# Altium PCB WordClock2.PcbDoc (part 3 of 3)
Units mil, origin at the board's own origin, x right, y up, seen from the top; angles counter-clockwise.
Board outline 10494.49 x 10494.49 mil, 2 copper layers (Top Layer, Bottom Layer), stack 61.811 mil thick; 527 components, 268 nets, 1646 pads, 74 vias.
Unrouted connection lines stored in the file: 1.
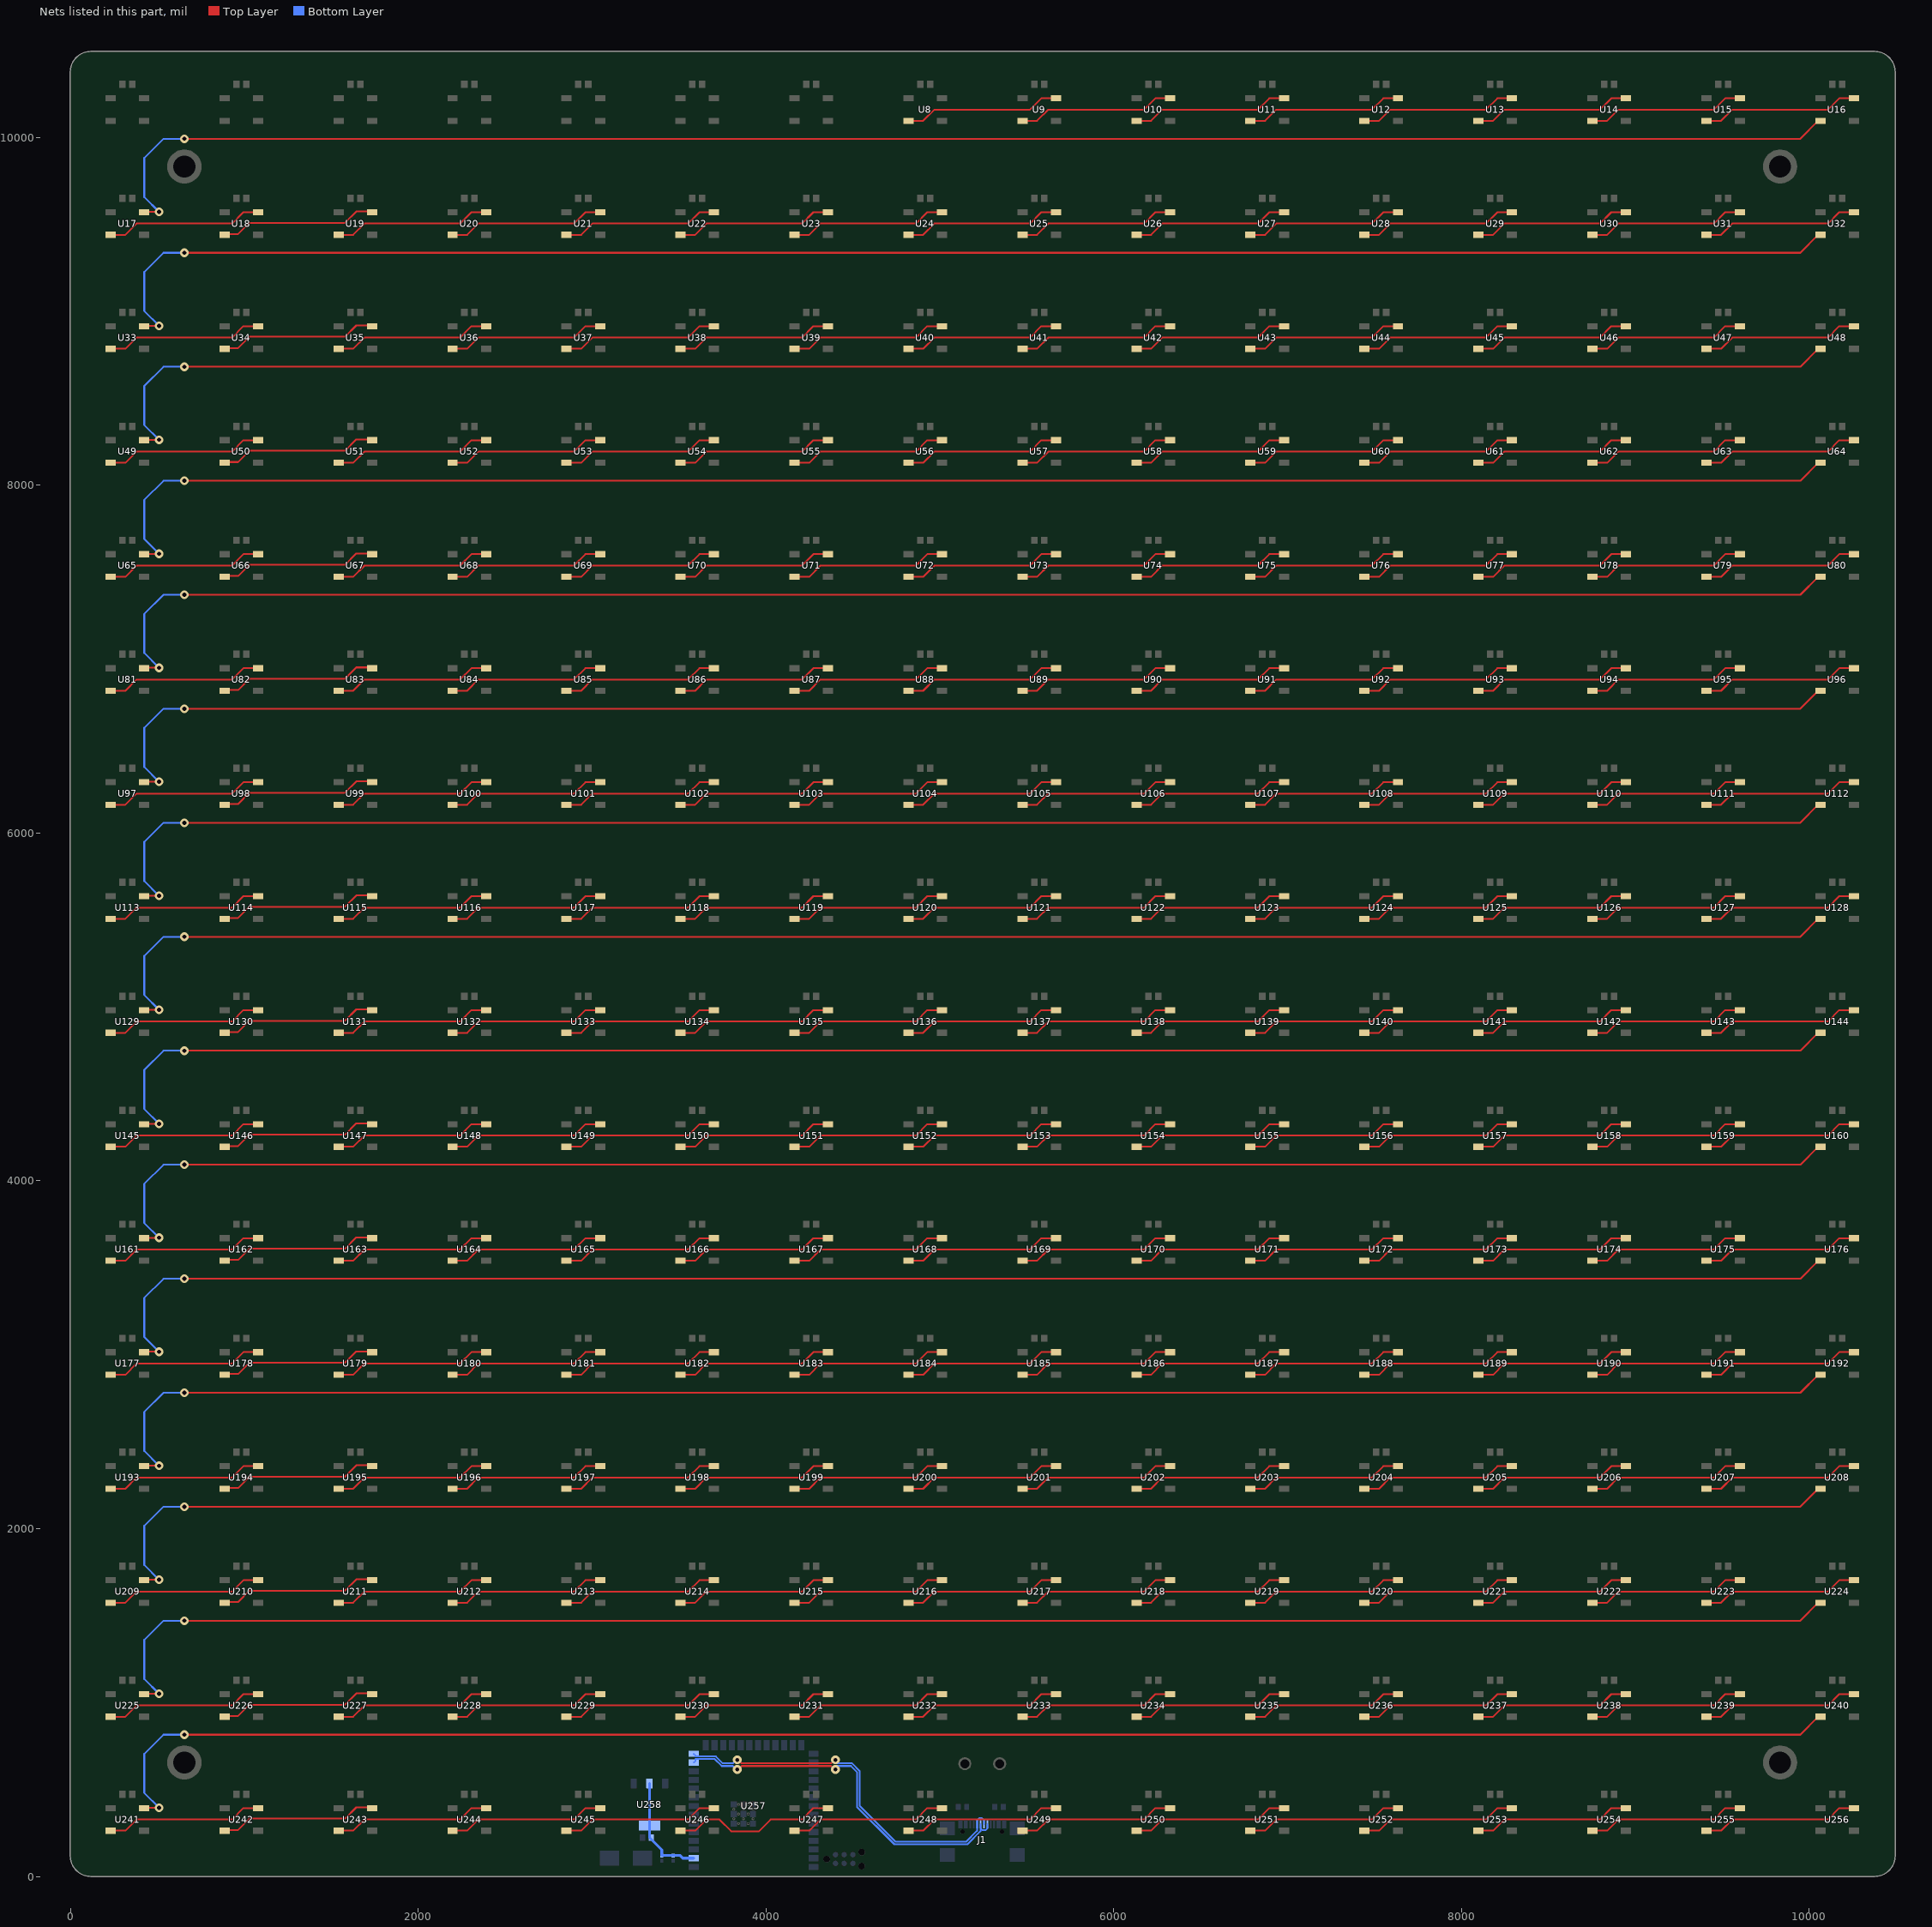
[diagram p3: the nets of this part, all layers, seen from the top]

## Via types
v1: diameter 50, hole 23.62, Top Layer to Bottom Layer, 69 vias
v2: diameter 23.62, hole 14, Top Layer to Bottom Layer, 5 vias

## Nets (pads, with @x,y where several pads share a name; then routed paths per layer and width w, separated by ;. In a path a pad name is that pad's centre, name@x,y a point inside that pad or via, vN(x,y) a via of type N, cw(c..) or ccw(c..) an arc to the next point about the centre after c; other vN are vias at no path point) (continued)
NetU8_2: U8.2 U9.4 | length 902.2
  Top Layer w10: U8.2@4819.88,10095.47 4904.06,10095.47 4968.58,10160 5518.58,10160 5583.98,10225.39 U9.4@5668.31,10225.39
NetU9_2: U9.2 U10.4 | length 902.2
  Top Layer w10: U9.2@5475.39,10095.47 5559.57,10095.47 5624.09,10160 6174.09,10160 6239.49,10225.39 U10.4@6323.82,10225.39
NetU10_2: U10.2 U11.4 | length 902.2
  Top Layer w10: U10.2@6130.9,10095.47 6215.08,10095.47 6279.61,10160 6829.61,10160 6895,10225.39 U11.4@6979.33,10225.39
NetU11_2: U11.2 U12.4 | length 902.2
  Top Layer w10: U11.2@6786.42,10095.47 6870.59,10095.47 6935.12,10160 7485.12,10160 7550.51,10225.39 U12.4@7634.84,10225.39
NetU12_2: U12.2 U13.4 | length 902.2
  Top Layer w10: U12.2@7441.93,10095.47 7526.1,10095.47 7590.63,10160 8140.63,10160 8206.02,10225.39 U13.4@8290.35,10225.39
NetU13_2: U13.2 U14.4 | length 902.2
  Top Layer w10: U13.2@8097.44,10095.47 8181.61,10095.47 8246.14,10160 8796.14,10160 8861.53,10225.39 U14.4@8945.87,10225.39
NetU14_2: U14.2 U15.4 | length 902.2
  Top Layer w10: U14.2@8752.95,10095.47 8837.13,10095.47 8901.65,10160 9451.65,10160 9517.05,10225.39 U15.4@9601.38,10225.39
NetU15_2: U15.2 U16.4 | length 902.2
  Top Layer w10: U15.2@9408.47,10095.47 9492.64,10095.47 9557.17,10160 10107.17,10160 10172.56,10225.39 U16.4@10256.89,10225.39
NetU16_2: U16.2 U17.4 | length 10159.3
  Top Layer w10: U17.4@424.21,9569.88 426.5,9572.16 v1(510,9572.16) ; v1(655,9992.16) 9948.86,9992.16 10052.17,10095.47 U16.2@10063.98,10095.47
  Bottom Layer w10: v1(510,9572.16) 425,9657.16 425,9882.16 535,9992.16 v1(655,9992.16)
NetU17_2: U17.2 U18.4 | length 902.2
  Top Layer w10: U17.2@231.3,9439.96 315.47,9439.96 380,9504.49 930,9504.49 995.39,9569.88 U18.4@1079.72,9569.88
NetU18_2: U18.2 U19.4 | length 902.2
  Top Layer w10: U18.2@880,9444.49 964.17,9444.49 1028.7,9509.02 1578.7,9509.02 1644.09,9574.41 U19.4@1728.43,9574.41
NetU19_2: U19.2 U20.4 | length 902.2
  Top Layer w10: U19.2@1542.32,9439.96 1626.5,9439.96 1691.02,9504.49 2241.02,9504.49 2306.42,9569.88 U20.4@2390.75,9569.88
NetU20_2: U20.2 U21.4 | length 902.2
  Top Layer w10: U20.2@2197.84,9439.96 2282.01,9439.96 2346.54,9504.49 2896.54,9504.49 2961.93,9569.88 U21.4@3046.26,9569.88
NetU21_2: U21.2 U22.4 | length 902.2
  Top Layer w10: U21.2@2853.35,9439.96 2937.52,9439.96 3002.05,9504.49 3552.05,9504.49 3617.44,9569.88 U22.4@3701.77,9569.88
NetU22_2: U22.2 U23.4 | length 902.2
  Top Layer w10: U22.2@3508.86,9439.96 3593.03,9439.96 3657.56,9504.49 4207.56,9504.49 4272.95,9569.88 U23.4@4357.28,9569.88
NetU23_2: U23.2 U24.4 | length 902.2
  Top Layer w10: U23.2@4164.37,9439.96 4248.55,9439.96 4313.07,9504.49 4863.07,9504.49 4928.47,9569.88 U24.4@5012.8,9569.88
NetU24_2: U24.2 U25.4 | length 902.2
  Top Layer w10: U24.2@4819.88,9439.96 4904.06,9439.96 4968.58,9504.49 5518.58,9504.49 5583.98,9569.88 U25.4@5668.31,9569.88
NetU25_2: U25.2 U26.4 | length 902.2
  Top Layer w10: U25.2@5475.39,9439.96 5559.57,9439.96 5624.09,9504.49 6174.09,9504.49 6239.49,9569.88 U26.4@6323.82,9569.88
NetU26_2: U26.2 U27.4 | length 902.2
  Top Layer w10: U26.2@6130.9,9439.96 6215.08,9439.96 6279.61,9504.49 6829.61,9504.49 6895,9569.88 U27.4@6979.33,9569.88
NetU27_2: U27.2 U28.4 | length 902.2
  Top Layer w10: U27.2@6786.42,9439.96 6870.59,9439.96 6935.12,9504.49 7485.12,9504.49 7550.51,9569.88 U28.4@7634.84,9569.88
NetU28_2: U28.2 U29.4 | length 902.2
  Top Layer w10: U28.2@7441.93,9439.96 7526.1,9439.96 7590.63,9504.49 8140.63,9504.49 8206.02,9569.88 U29.4@8290.35,9569.88
NetU29_2: U29.2 U30.4 | length 902.2
  Top Layer w10: U29.2@8097.44,9439.96 8181.61,9439.96 8246.14,9504.49 8796.14,9504.49 8861.53,9569.88 U30.4@8945.87,9569.88
NetU30_2: U30.2 U31.4 | length 902.2
  Top Layer w10: U30.2@8752.95,9439.96 8837.13,9439.96 8901.65,9504.49 9451.65,9504.49 9517.05,9569.88 U31.4@9601.38,9569.88
NetU31_2: U31.2 U32.4 | length 902.2
  Top Layer w10: U31.2@9408.47,9439.96 9492.64,9439.96 9557.17,9504.49 10107.17,9504.49 10172.56,9569.88 U32.4@10256.89,9569.88
NetU32_2: U32.2 U33.4 | length 10159.3
  Top Layer w10: U33.4@424.21,8914.37 426.5,8916.65 v1(510,8916.65) ; v1(655,9336.65) 9948.86,9336.65 10052.17,9439.96 U32.2@10063.98,9439.96
  Bottom Layer w10: v1(510,8916.65) 425,9001.65 425,9226.65 535,9336.65 v1(655,9336.65)
NetU33_2: U33.2 U34.4 | length 902.2
  Top Layer w10: U33.2@231.3,8784.45 315.47,8784.45 380,8848.98 930,8848.98 995.39,8914.37 U34.4@1079.72,8914.37
NetU34_2: U34.2 U35.4 | length 902.2
  Top Layer w10: U34.2@880,8788.98 964.17,8788.98 1028.7,8853.5 1578.7,8853.5 1644.09,8918.9 U35.4@1728.43,8918.9
NetU35_2: U35.2 U36.4 | length 902.2
  Top Layer w10: U35.2@1542.32,8784.45 1626.5,8784.45 1691.02,8848.98 2241.02,8848.98 2306.42,8914.37 U36.4@2390.75,8914.37
NetU36_2: U36.2 U37.4 | length 902.2
  Top Layer w10: U36.2@2197.84,8784.45 2282.01,8784.45 2346.54,8848.98 2896.54,8848.98 2961.93,8914.37 U37.4@3046.26,8914.37
NetU37_2: U37.2 U38.4 | length 902.2
  Top Layer w10: U37.2@2853.35,8784.45 2937.52,8784.45 3002.05,8848.98 3552.05,8848.98 3617.44,8914.37 U38.4@3701.77,8914.37
NetU38_2: U38.2 U39.4 | length 902.2
  Top Layer w10: U38.2@3508.86,8784.45 3593.03,8784.45 3657.56,8848.98 4207.56,8848.98 4272.95,8914.37 U39.4@4357.28,8914.37
NetU39_2: U39.2 U40.4 | length 902.2
  Top Layer w10: U39.2@4164.37,8784.45 4248.55,8784.45 4313.07,8848.98 4863.07,8848.98 4928.47,8914.37 U40.4@5012.8,8914.37
NetU40_2: U40.2 U41.4 | length 902.2
  Top Layer w10: U40.2@4819.88,8784.45 4904.06,8784.45 4968.58,8848.98 5518.58,8848.98 5583.98,8914.37 U41.4@5668.31,8914.37
NetU41_2: U41.2 U42.4 | length 902.2
  Top Layer w10: U41.2@5475.39,8784.45 5559.57,8784.45 5624.09,8848.98 6174.09,8848.98 6239.49,8914.37 U42.4@6323.82,8914.37
NetU42_2: U42.2 U43.4 | length 902.2
  Top Layer w10: U42.2@6130.9,8784.45 6215.08,8784.45 6279.61,8848.98 6829.61,8848.98 6895,8914.37 U43.4@6979.33,8914.37
NetU43_2: U43.2 U44.4 | length 902.2
  Top Layer w10: U43.2@6786.42,8784.45 6870.59,8784.45 6935.12,8848.98 7485.12,8848.98 7550.51,8914.37 U44.4@7634.84,8914.37
NetU44_2: U44.2 U45.4 | length 902.2
  Top Layer w10: U44.2@7441.93,8784.45 7526.1,8784.45 7590.63,8848.98 8140.63,8848.98 8206.02,8914.37 U45.4@8290.35,8914.37
NetU45_2: U45.2 U46.4 | length 902.2
  Top Layer w10: U45.2@8097.44,8784.45 8181.61,8784.45 8246.14,8848.98 8796.14,8848.98 8861.53,8914.37 U46.4@8945.87,8914.37
NetU46_2: U46.2 U47.4 | length 902.2
  Top Layer w10: U46.2@8752.95,8784.45 8837.13,8784.45 8901.65,8848.98 9451.65,8848.98 9517.05,8914.37 U47.4@9601.38,8914.37
NetU47_2: U47.2 U48.4 | length 902.2
  Top Layer w10: U47.2@9408.47,8784.45 9492.64,8784.45 9557.17,8848.98 10107.17,8848.98 10172.56,8914.37 U48.4@10256.89,8914.37
NetU48_2: U48.2 U49.4 | length 10159.3
  Top Layer w10: U49.4@424.21,8258.86 426.5,8261.14 v1(510,8261.14) ; v1(655,8681.14) 9948.86,8681.14 10052.17,8784.45 U48.2@10063.98,8784.45
  Bottom Layer w10: v1(510,8261.14) 425,8346.14 425,8571.14 535,8681.14 v1(655,8681.14)
NetU49_2: U49.2 U50.4 | length 902.2
  Top Layer w10: U49.2@231.3,8128.94 315.47,8128.94 380,8193.46 930,8193.46 995.39,8258.86 U50.4@1079.72,8258.86
NetU50_2: U50.2 U51.4 | length 902.2
  Top Layer w10: U50.2@880,8133.46 964.17,8133.46 1028.7,8197.99 1578.7,8197.99 1644.09,8263.38 U51.4@1728.43,8263.38
NetU51_2: U51.2 U52.4 | length 902.2
  Top Layer w10: U51.2@1542.32,8128.94 1626.5,8128.94 1691.02,8193.46 2241.02,8193.46 2306.42,8258.86 U52.4@2390.75,8258.86
NetU52_2: U52.2 U53.4 | length 902.2
  Top Layer w10: U52.2@2197.84,8128.94 2282.01,8128.94 2346.54,8193.46 2896.54,8193.46 2961.93,8258.86 U53.4@3046.26,8258.86
NetU53_2: U53.2 U54.4 | length 902.2
  Top Layer w10: U53.2@2853.35,8128.94 2937.52,8128.94 3002.05,8193.46 3552.05,8193.46 3617.44,8258.86 U54.4@3701.77,8258.86
NetU54_2: U54.2 U55.4 | length 902.2
  Top Layer w10: U54.2@3508.86,8128.94 3593.03,8128.94 3657.56,8193.46 4207.56,8193.46 4272.95,8258.86 U55.4@4357.28,8258.86
NetU55_2: U55.2 U56.4 | length 902.2
  Top Layer w10: U55.2@4164.37,8128.94 4248.55,8128.94 4313.07,8193.46 4863.07,8193.46 4928.47,8258.86 U56.4@5012.8,8258.86
NetU56_2: U56.2 U57.4 | length 902.2
  Top Layer w10: U56.2@4819.88,8128.94 4904.06,8128.94 4968.58,8193.46 5518.58,8193.46 5583.98,8258.86 U57.4@5668.31,8258.86
NetU57_2: U57.2 U58.4 | length 902.2
  Top Layer w10: U57.2@5475.39,8128.94 5559.57,8128.94 5624.09,8193.46 6174.09,8193.46 6239.49,8258.86 U58.4@6323.82,8258.86
NetU58_2: U58.2 U59.4 | length 902.2
  Top Layer w10: U58.2@6130.9,8128.94 6215.08,8128.94 6279.61,8193.46 6829.61,8193.46 6895,8258.86 U59.4@6979.33,8258.86
NetU59_2: U59.2 U60.4 | length 902.2
  Top Layer w10: U59.2@6786.42,8128.94 6870.59,8128.94 6935.12,8193.46 7485.12,8193.46 7550.51,8258.86 U60.4@7634.84,8258.86
NetU60_2: U60.2 U61.4 | length 902.2
  Top Layer w10: U60.2@7441.93,8128.94 7526.1,8128.94 7590.63,8193.46 8140.63,8193.46 8206.02,8258.86 U61.4@8290.35,8258.86
NetU61_2: U61.2 U62.4 | length 902.2
  Top Layer w10: U61.2@8097.44,8128.94 8181.61,8128.94 8246.14,8193.46 8796.14,8193.46 8861.53,8258.86 U62.4@8945.87,8258.86
NetU62_2: U62.2 U63.4 | length 902.2
  Top Layer w10: U62.2@8752.95,8128.94 8837.13,8128.94 8901.65,8193.46 9451.65,8193.46 9517.05,8258.86 U63.4@9601.38,8258.86
NetU63_2: U63.2 U64.4 | length 902.2
  Top Layer w10: U63.2@9408.47,8128.94 9492.64,8128.94 9557.17,8193.46 10107.17,8193.46 10172.56,8258.86 U64.4@10256.89,8258.86
NetU64_2: U64.2 U65.4 | length 10159.3
  Top Layer w10: U65.4@424.21,7603.35 426.5,7605.63 v1(510,7605.63) ; v1(655,8025.63) 9948.86,8025.63 10052.17,8128.94 U64.2@10063.98,8128.94
  Bottom Layer w10: v1(510,7605.63) 425,7690.63 425,7915.63 535,8025.63 v1(655,8025.63)
NetU65_2: U65.2 U66.4 | length 902.2
  Top Layer w10: U65.2@231.3,7473.42 315.47,7473.43 380,7537.95 930,7537.95 995.39,7603.35 U66.4@1079.72,7603.35
NetU66_2: U66.2 U67.4 | length 902.2
  Top Layer w10: U66.2@880,7477.95 964.17,7477.95 1028.7,7542.48 1578.7,7542.48 1644.09,7607.87 U67.4@1728.43,7607.87
NetU67_2: U67.2 U68.4 | length 902.2
  Top Layer w10: U67.2@1542.32,7473.42 1626.5,7473.43 1691.02,7537.95 2241.02,7537.95 2306.42,7603.35 U68.4@2390.75,7603.35
NetU68_2: U68.2 U69.4 | length 902.2
  Top Layer w10: U68.2@2197.84,7473.42 2282.01,7473.43 2346.54,7537.95 2896.54,7537.95 2961.93,7603.35 U69.4@3046.26,7603.35
NetU69_2: U69.2 U70.4 | length 902.2
  Top Layer w10: U69.2@2853.35,7473.42 2937.52,7473.43 3002.05,7537.95 3552.05,7537.95 3617.44,7603.35 U70.4@3701.77,7603.35
NetU70_2: U70.2 U71.4 | length 902.2
  Top Layer w10: U70.2@3508.86,7473.42 3593.03,7473.43 3657.56,7537.95 4207.56,7537.95 4272.95,7603.35 U71.4@4357.28,7603.35
NetU71_2: U71.2 U72.4 | length 902.2
  Top Layer w10: U71.2@4164.37,7473.42 4248.55,7473.43 4313.07,7537.95 4863.07,7537.95 4928.47,7603.35 U72.4@5012.8,7603.35
NetU72_2: U72.2 U73.4 | length 902.2
  Top Layer w10: U72.2@4819.88,7473.42 4904.06,7473.43 4968.58,7537.95 5518.58,7537.95 5583.98,7603.35 U73.4@5668.31,7603.35
NetU73_2: U73.2 U74.4 | length 902.2
  Top Layer w10: U73.2@5475.39,7473.42 5559.57,7473.43 5624.09,7537.95 6174.09,7537.95 6239.49,7603.35 U74.4@6323.82,7603.35
NetU74_2: U74.2 U75.4 | length 902.2
  Top Layer w10: U74.2@6130.9,7473.42 6215.08,7473.43 6279.61,7537.95 6829.61,7537.95 6895,7603.35 U75.4@6979.33,7603.35
NetU75_2: U75.2 U76.4 | length 902.2
  Top Layer w10: U75.2@6786.42,7473.42 6870.59,7473.43 6935.12,7537.95 7485.12,7537.95 7550.51,7603.35 U76.4@7634.84,7603.35
NetU76_2: U76.2 U77.4 | length 902.2
  Top Layer w10: U76.2@7441.93,7473.42 7526.1,7473.43 7590.63,7537.95 8140.63,7537.95 8206.02,7603.35 U77.4@8290.35,7603.35
NetU77_2: U77.2 U78.4 | length 902.2
  Top Layer w10: U77.2@8097.44,7473.42 8181.61,7473.43 8246.14,7537.95 8796.14,7537.95 8861.53,7603.35 U78.4@8945.87,7603.35
NetU78_2: U78.2 U79.4 | length 902.2
  Top Layer w10: U78.2@8752.95,7473.42 8837.13,7473.43 8901.65,7537.95 9451.65,7537.95 9517.05,7603.35 U79.4@9601.38,7603.35
NetU79_2: U79.2 U80.4 | length 902.2
  Top Layer w10: U79.2@9408.47,7473.42 9492.64,7473.43 9557.17,7537.95 10107.17,7537.95 10172.56,7603.35 U80.4@10256.89,7603.35
NetU80_2: U80.2 U81.4 | length 10159.3
  Top Layer w10: U81.4@424.21,6947.83 426.5,6950.12 v1(510,6950.12) ; v1(655,7370.12) 9948.86,7370.12 10052.17,7473.42 U80.2@10063.98,7473.42
  Bottom Layer w10: v1(510,6950.12) 425,7035.12 425,7260.12 535,7370.12 v1(655,7370.12)
NetU81_2: U81.2 U82.4 | length 902.2
  Top Layer w10: U81.2@231.3,6817.91 315.47,6817.92 380,6882.44 930,6882.44 995.39,6947.83 U82.4@1079.72,6947.83
NetU82_2: U82.2 U83.4 | length 902.2
  Top Layer w10: U82.2@880,6822.44 964.17,6822.44 1028.7,6886.97 1578.7,6886.97 1644.09,6952.36 U83.4@1728.43,6952.36
NetU83_2: U83.2 U84.4 | length 902.2
  Top Layer w10: U83.2@1542.32,6817.91 1626.5,6817.92 1691.02,6882.44 2241.02,6882.44 2306.42,6947.83 U84.4@2390.75,6947.83
NetU84_2: U84.2 U85.4 | length 902.2
  Top Layer w10: U84.2@2197.84,6817.91 2282.01,6817.92 2346.54,6882.44 2896.54,6882.44 2961.93,6947.83 U85.4@3046.26,6947.83
NetU85_2: U85.2 U86.4 | length 902.2
  Top Layer w10: U85.2@2853.35,6817.91 2937.52,6817.92 3002.05,6882.44 3552.05,6882.44 3617.44,6947.83 U86.4@3701.77,6947.83
NetU86_2: U86.2 U87.4 | length 902.2
  Top Layer w10: U86.2@3508.86,6817.91 3593.03,6817.92 3657.56,6882.44 4207.56,6882.44 4272.95,6947.83 U87.4@4357.28,6947.83
NetU87_2: U87.2 U88.4 | length 902.2
  Top Layer w10: U87.2@4164.37,6817.91 4248.55,6817.92 4313.07,6882.44 4863.07,6882.44 4928.47,6947.83 U88.4@5012.8,6947.83
NetU88_2: U88.2 U89.4 | length 902.2
  Top Layer w10: U88.2@4819.88,6817.91 4904.06,6817.92 4968.58,6882.44 5518.58,6882.44 5583.98,6947.83 U89.4@5668.31,6947.83
NetU89_2: U89.2 U90.4 | length 902.2
  Top Layer w10: U89.2@5475.39,6817.91 5559.57,6817.92 5624.09,6882.44 6174.09,6882.44 6239.49,6947.83 U90.4@6323.82,6947.83
NetU90_2: U90.2 U91.4 | length 902.2
  Top Layer w10: U90.2@6130.9,6817.91 6215.08,6817.92 6279.61,6882.44 6829.61,6882.44 6895,6947.83 U91.4@6979.33,6947.83
NetU91_2: U91.2 U92.4 | length 902.2
  Top Layer w10: U91.2@6786.42,6817.91 6870.59,6817.92 6935.12,6882.44 7485.12,6882.44 7550.51,6947.83 U92.4@7634.84,6947.83
NetU92_2: U92.2 U93.4 | length 902.2
  Top Layer w10: U92.2@7441.93,6817.91 7526.1,6817.92 7590.63,6882.44 8140.63,6882.44 8206.02,6947.83 U93.4@8290.35,6947.83
NetU93_2: U93.2 U94.4 | length 902.2
  Top Layer w10: U93.2@8097.44,6817.91 8181.61,6817.92 8246.14,6882.44 8796.14,6882.44 8861.53,6947.83 U94.4@8945.87,6947.83
NetU94_2: U94.2 U95.4 | length 902.2
  Top Layer w10: U94.2@8752.95,6817.91 8837.13,6817.92 8901.65,6882.44 9451.65,6882.44 9517.05,6947.83 U95.4@9601.38,6947.83
NetU95_2: U95.2 U96.4 | length 902.2
  Top Layer w10: U95.2@9408.47,6817.91 9492.64,6817.92 9557.17,6882.44 10107.17,6882.44 10172.56,6947.83 U96.4@10256.89,6947.83
NetU96_2: U96.2 U97.4 | length 10159.3
  Top Layer w10: U97.4@424.21,6292.32 426.5,6294.61 v1(510,6294.61) ; v1(655,6714.61) 9948.86,6714.61 10052.17,6817.91 U96.2@10063.98,6817.91
  Bottom Layer w10: v1(510,6294.61) 425,6379.61 425,6604.61 535,6714.61 v1(655,6714.61)
NetU97_2: U97.2 U98.4 | length 902.2
  Top Layer w10: U97.2@231.3,6162.4 315.47,6162.4 380,6226.93 930,6226.93 995.39,6292.32 U98.4@1079.72,6292.32
NetU98_2: U98.2 U99.4 | length 902.2
  Top Layer w10: U98.2@880,6166.93 964.17,6166.93 1028.7,6231.46 1578.7,6231.46 1644.09,6296.85 U99.4@1728.43,6296.85
NetU99_2: U99.2 U100.4 | length 902.2
  Top Layer w10: U99.2@1542.32,6162.4 1626.5,6162.4 1691.02,6226.93 2241.02,6226.93 2306.42,6292.32 U100.4@2390.75,6292.32
NetU100_2: U100.2 U101.4 | length 902.2
  Top Layer w10: U100.2@2197.84,6162.4 2282.01,6162.4 2346.54,6226.93 2896.54,6226.93 2961.93,6292.32 U101.4@3046.26,6292.32
NetU101_2: U101.2 U102.4 | length 902.2
  Top Layer w10: U101.2@2853.35,6162.4 2937.52,6162.4 3002.05,6226.93 3552.05,6226.93 3617.44,6292.32 U102.4@3701.77,6292.32
NetU102_2: U102.2 U103.4 | length 902.2
  Top Layer w10: U102.2@3508.86,6162.4 3593.03,6162.4 3657.56,6226.93 4207.56,6226.93 4272.95,6292.32 U103.4@4357.28,6292.32
NetU103_2: U103.2 U104.4 | length 902.2
  Top Layer w10: U103.2@4164.37,6162.4 4248.55,6162.4 4313.07,6226.93 4863.07,6226.93 4928.47,6292.32 U104.4@5012.8,6292.32
NetU104_2: U104.2 U105.4 | length 902.2
  Top Layer w10: U104.2@4819.88,6162.4 4904.06,6162.4 4968.58,6226.93 5518.58,6226.93 5583.98,6292.32 U105.4@5668.31,6292.32
NetU105_2: U105.2 U106.4 | length 902.2
  Top Layer w10: U105.2@5475.39,6162.4 5559.57,6162.4 5624.09,6226.93 6174.09,6226.93 6239.49,6292.32 U106.4@6323.82,6292.32
NetU106_2: U106.2 U107.4 | length 902.2
  Top Layer w10: U106.2@6130.9,6162.4 6215.08,6162.4 6279.61,6226.93 6829.61,6226.93 6895,6292.32 U107.4@6979.33,6292.32
NetU107_2: U107.2 U108.4 | length 902.2
  Top Layer w10: U107.2@6786.42,6162.4 6870.59,6162.4 6935.12,6226.93 7485.12,6226.93 7550.51,6292.32 U108.4@7634.84,6292.32
NetU108_2: U108.2 U109.4 | length 902.2
  Top Layer w10: U108.2@7441.93,6162.4 7526.1,6162.4 7590.63,6226.93 8140.63,6226.93 8206.02,6292.32 U109.4@8290.35,6292.32
NetU109_2: U109.2 U110.4 | length 902.2
  Top Layer w10: U109.2@8097.44,6162.4 8181.61,6162.4 8246.14,6226.93 8796.14,6226.93 8861.53,6292.32 U110.4@8945.87,6292.32
NetU110_2: U110.2 U111.4 | length 902.2
  Top Layer w10: U110.2@8752.95,6162.4 8837.13,6162.4 8901.65,6226.93 9451.65,6226.93 9517.05,6292.32 U111.4@9601.38,6292.32
NetU111_2: U111.2 U112.4 | length 902.2
  Top Layer w10: U111.2@9408.47,6162.4 9492.64,6162.4 9557.17,6226.93 10107.17,6226.93 10172.56,6292.32 U112.4@10256.89,6292.32
NetU112_2: U112.2 U113.4 | length 10159.3
  Top Layer w10: U113.4@424.21,5636.81 426.5,5639.09 v1(510,5639.09) ; v1(655,6059.09) 9948.86,6059.09 10052.17,6162.4 U112.2@10063.98,6162.4
  Bottom Layer w10: v1(510,5639.09) 425,5724.09 425,5949.09 535,6059.09 v1(655,6059.09)
NetU113_2: U113.2 U114.4 | length 902.2
  Top Layer w10: U113.2@231.3,5506.89 315.47,5506.89 380,5571.42 930,5571.42 995.39,5636.81 U114.4@1079.72,5636.81
NetU114_2: U114.2 U115.4 | length 902.2
  Top Layer w10: U114.2@880,5511.42 964.17,5511.42 1028.7,5575.94 1578.7,5575.94 1644.09,5641.34 U115.4@1728.43,5641.34
NetU115_2: U115.2 U116.4 | length 902.2
  Top Layer w10: U115.2@1542.32,5506.89 1626.5,5506.89 1691.02,5571.42 2241.02,5571.42 2306.42,5636.81 U116.4@2390.75,5636.81